# Altium PCB vme64x6U_ctrlc.PcbDoc (part 14 of 16) (continued)
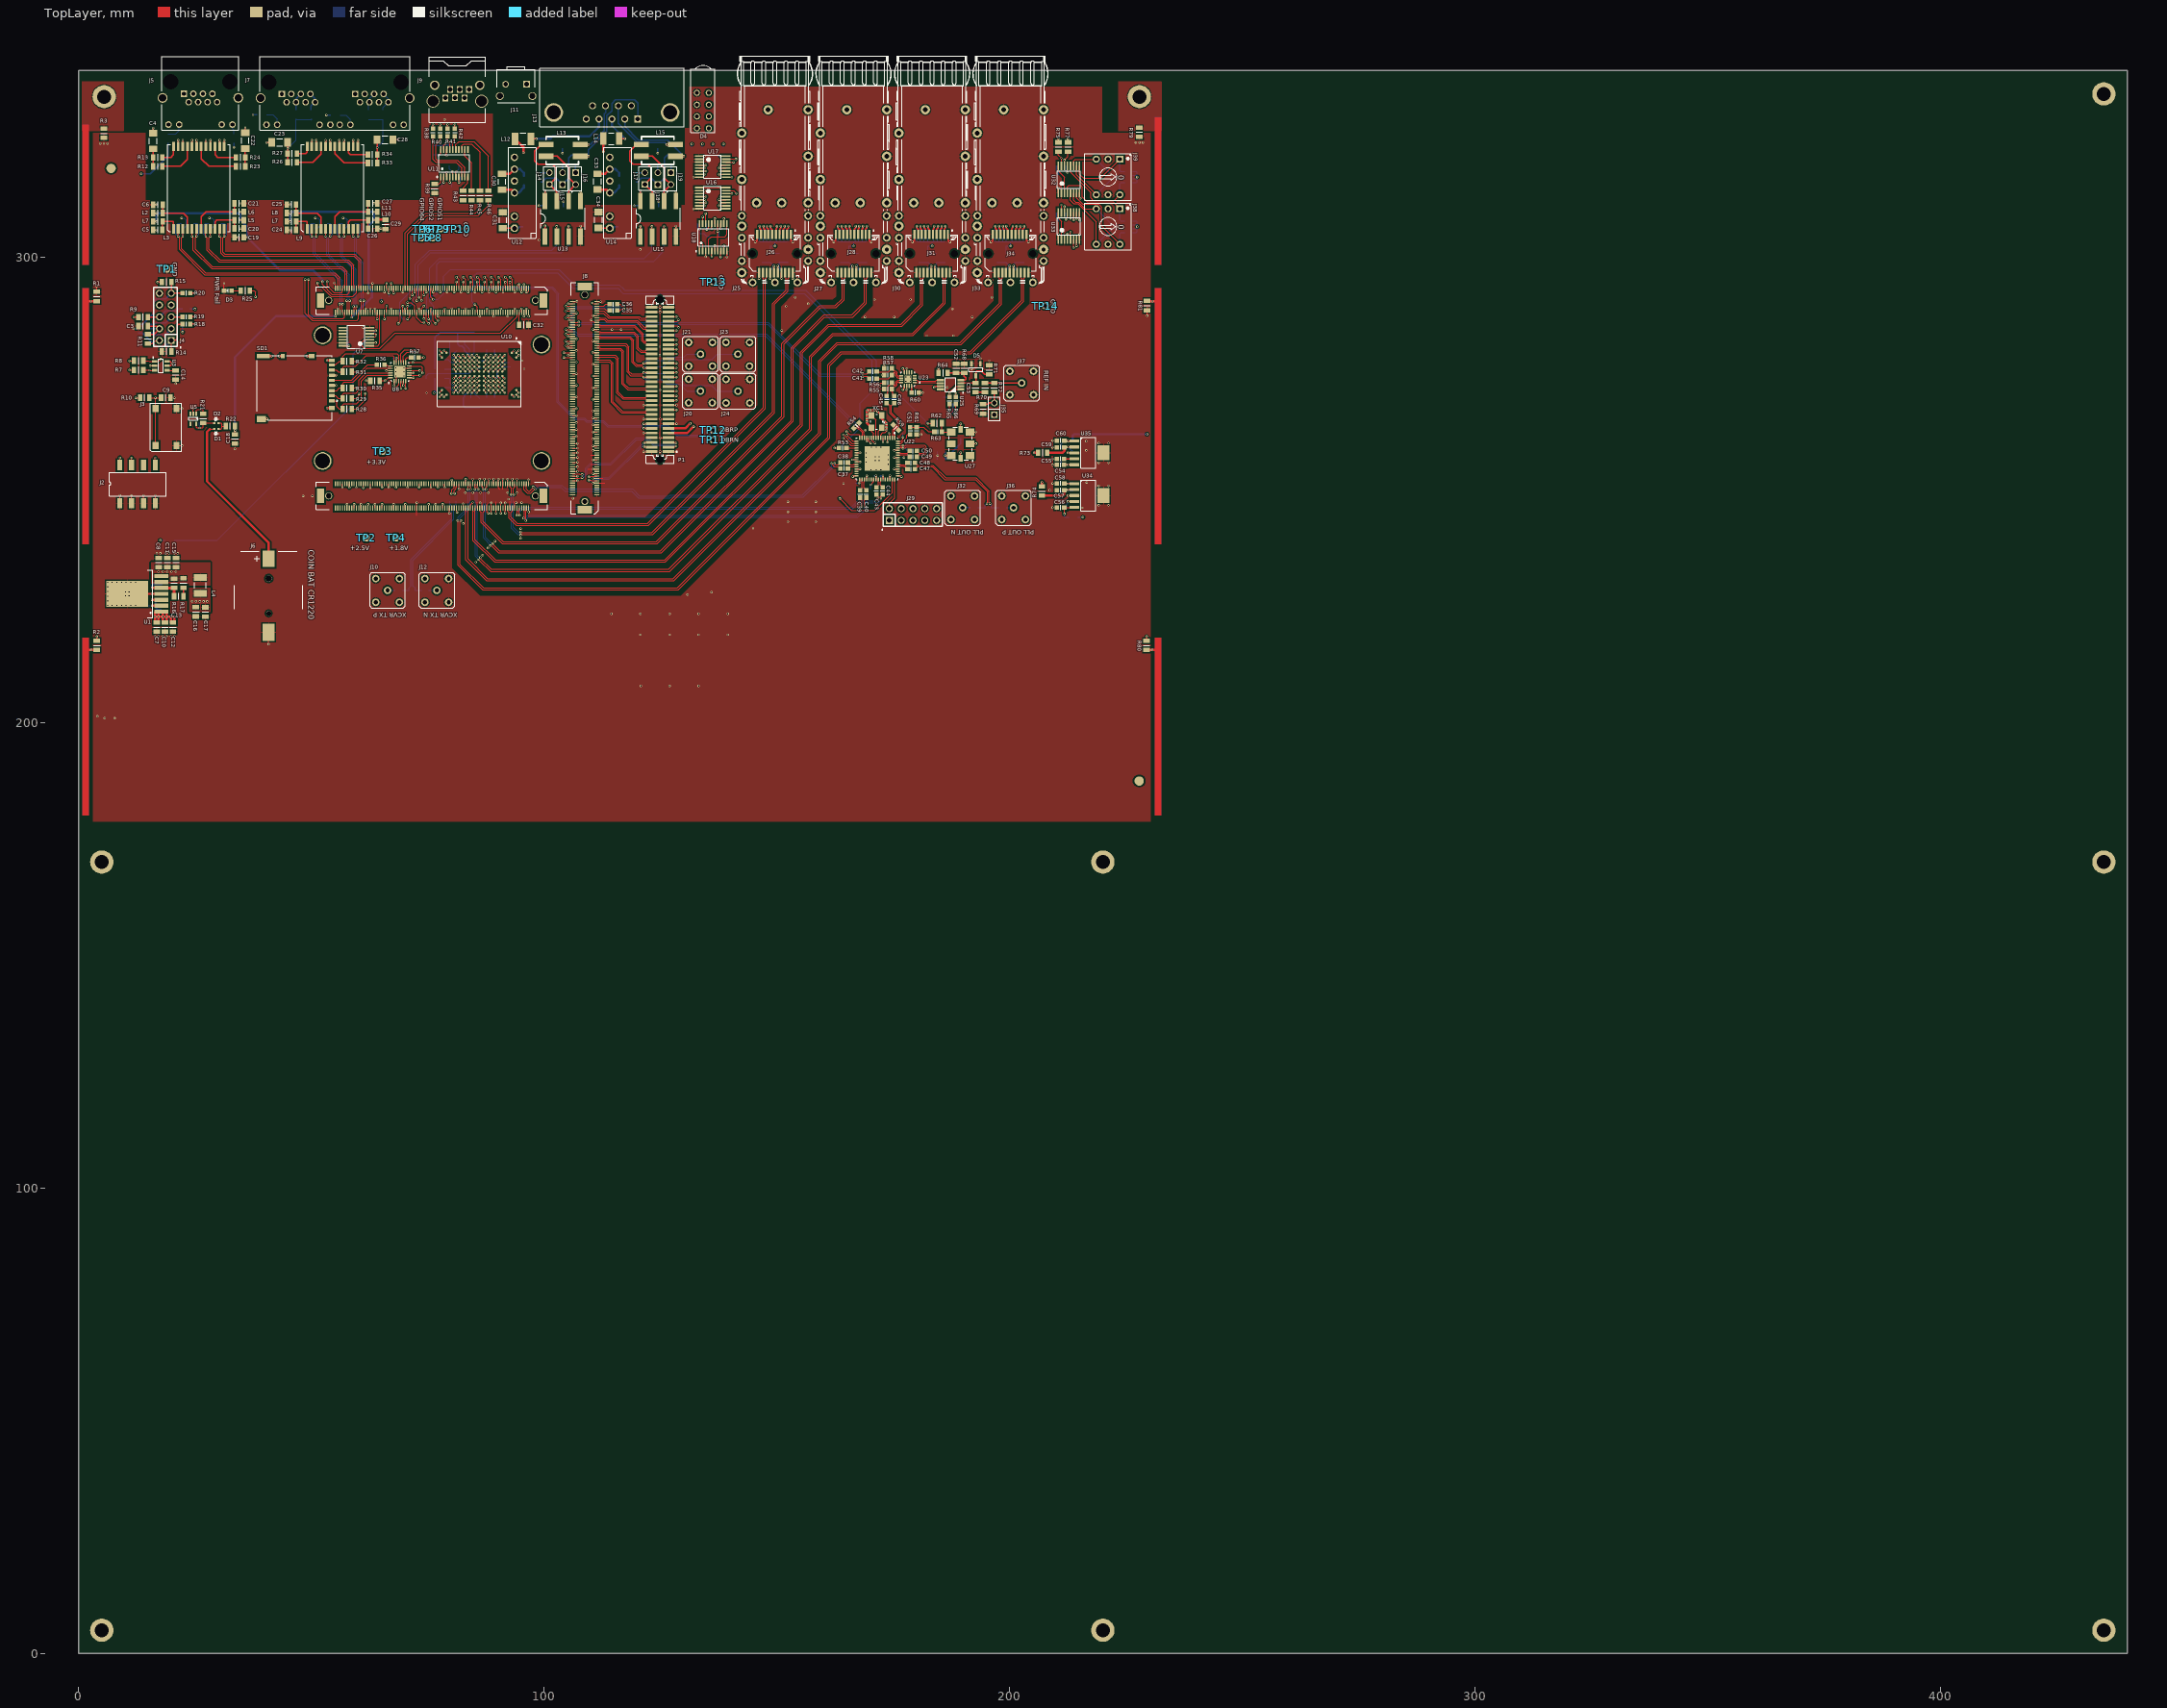
[diagram p0: TopLayer view]
## Nets (pads, with @x,y where several pads share a name; then routed paths per layer and width w, separated by ;. In a path a pad name is that pad's centre, name@x,y a point inside that pad or via, vN(x,y) a via of type N, cw(c..) or ccw(c..) an arc to the next point about the centre after c; other vN are vias at no path point) (continued)
  TopLayer w0.15: v1(70.675,290.175) 71.4,290.175 72.175,289.4 J8.A100@72.175,288.05
  MidLayer4 w0.15: v1(70.675,290.175) 71.35,290.175 74.825,293.65 74.825,302.175 73.625,303.375 TP5.1@73.625,304.075
GPIO63: J8.A92 TP8.1 | length 19.5
  TopLayer w0.15: v1(74.175,286.7) J8.A92@74.175,288.05
  MidLayer4 w0.15: v1(74.175,286.7) 75.18,287.705 75.18,289.055 75.675,289.55 75.675,302.625 76.05,303 TP8.1@76.05,304.075
GPIO64: J8.A94 TP6.1 | length 19.2
  TopLayer w0.15: J8.A94@73.675,288.05 73.675,288.925 v1(74.175,289.425)
  MidLayer4 w0.15: TP6.1@73.875,306 74.825,305.05 74.825,303.25 75.25,302.825 75.25,290.5 v1(74.175,289.425)
GTP_REF0.IO_N: C39.2 J8.B6 | length 78.6
  TopLayer w0.15: v1(95.59,243.875) 95.763,244.047 95.763,245.338 95.675,245.425 J8.B6@95.675,246.05
  TopLayer w0.25: C39.2@167.875,248.275 168.325,247.825 168.325,246.498 v1(168.203,246.375)
  BottomLayer w0.25: v1(95.59,243.875) 95.799,243.875 96.449,244.525 167.15,244.525 168.325,245.7 168.325,246.253 v1(168.203,246.375)
GTP_REF0.IO_P: C40.2 J8.B4 | length 79.5
  TopLayer w0.15: v1(96.06,243.35) 96.088,243.377 96.088,245.338 96.175,245.425 J8.B4@96.175,246.05
  TopLayer w0.25: v1(168.873,246.375) 168.75,246.498 168.75,247.825 C40.2@169.2,248.275
  BottomLayer w0.25: v1(96.06,243.35) 96.06,243.535 96.625,244.1 167.326,244.1 168.75,245.524 168.75,246.253 v1(168.873,246.375)
GTP_REF1.IO_N: C43.2 J8.B12 | length 82.6
  TopLayer w0.15: v1(94.09,244.475) 94.263,244.647 94.263,245.338 94.175,245.425 J8.B12@94.175,246.05
  TopLayer w0.25: C43.2@171.35,248.925 171.813,248.463 171.813,248.248 v1(171.69,248.125)
  BottomLayer w0.25: v1(94.09,244.475) 94.213,244.597 94.213,245.276 95.211,246.275 166,246.275 167.325,247.6 171.613,247.6 171.813,247.8 171.813,248.003 v1(171.69,248.125)
GTP_REF1.IO_P: C44.2 J8.B10 | length 82.6
  TopLayer w0.15: J8.B10@94.675,246.05 94.675,245.425 94.588,245.338 94.588,244.647 v1(94.76,244.475)
  TopLayer w0.25: v1(172.36,248.125) 172.238,248.248 172.238,248.463 C44.2@172.7,248.925
  BottomLayer w0.25: v1(94.76,244.475) 94.638,244.597 94.638,245.1 95.388,245.85 166.176,245.85 167.501,247.175 171.789,247.175 172.238,247.624 172.238,248.003 v1(172.36,248.125)
GTP_REF2.IO_N: C38.2 J8.B5 | length 74.7
  TopLayer w0.25: J8.B5@95.675,251.25 95.675,250.575 95.713,250.537 95.713,249.936 96.424,249.225 97.076,249.225 97.926,250.075 v1(98.1,250.075) ; v1(162.395,255.625) 162.645,255.375 163.2,255.375 C38.2@163.625,255.8
  BottomLayer w0.25: v1(98.1,250.075) 98.549,250.525 103.625,250.525 104.45,249.7 118.8,249.7 120.3,248.201 127.027,248.201 127.251,248.424 155.7,248.424 162.395,255.12 v1(162.395,255.625)
GTP_REF2.IO_P: C37.2 J8.B3 | length 74.2
  TopLayer w0.25: J8.B3@96.175,251.25 96.175,250.575 96.138,250.537 96.138,250.113 96.6,249.65 96.9,249.65 97.626,250.376 v1(97.626,250.549) ; v1(161.725,255.625) 161.725,255.524 162.299,254.95 163.2,254.95 C37.2@163.625,254.525
  BottomLayer w0.25: v1(97.626,250.549) 98.027,250.95 103.801,250.95 104.626,250.125 118.976,250.125 120.476,248.626 126.851,248.626 127.075,248.849 155.523,248.849 161.725,255.051 v1(161.725,255.625)
H_BUSY: 
H_CNV: 
H_MX0: 
H_MX1: 
H_MX2: 
H_RSV0_: 
H_RSV1_: 
H_RSV2_: 
H_RSV3_: 
H_RSV4_: 
H_RSV5_: 
H_RSV6_: 
H_RSV7_: 
H_SCLK: 
H_SDO: 
H_SW: 
HPS_PORn: J8.A132 R8.2 U3.1 U10.M5 | length 81.7
  TopLayer w0.15: R8.2@13.925,277.675 15.025,277.675 15.165,277.535 U3.1@16.335,277.535 17.16,277.535 v1(17.675,278.05) ; v1(64.175,286.675) J8.A132@64.175,288.05 ; v1(82.55,275.875) U10.M5@83.05,275.375
  MidLayer3 w0.15: v1(17.675,278.05) 29.724,278.05 32.574,280.9 56.2,280.9 56.9,281.6 62.675,281.6 63.5,282.425 64.075,282.425 64.5,282.85 64.5,284.525 64.175,284.85 v1(64.175,286.675)
  MidLayer4 w0.15: v1(64.175,286.675) 67.5,283.35 70.35,283.35 77.325,276.375 82.05,276.375 v1(82.55,275.875)
HPS_RSTn: C9.1 J3.1 J3.2 J8.A124 R10.2 R190.1 | length 88.7
  TopLayer w0.15: J8.A124@66.175,288.05 v1(66.175,289.425)
  TopLayer w0.25: R10.2@15.225,269.725 15.24,269.71 v1(16.535,269.71) ; J3.1@16.535,259.435 J3.2@16.535,267.385 v1(16.535,269.71) ; C9.1@17.735,269.735 16.56,269.735 v1(16.535,269.71)
  MidLayer3 w0.15: v1(16.535,269.71) 16.535,278.46 18.65,280.575 18.65,285.2 19.25,285.8 20.525,285.8 21.445,284.88 25.055,284.88 26.05,285.875 26.05,287.745 v1(25.01,288.785) 25.01,290.163 27.117,292.27 60.898,292.27 61.862,291.305 65.47,291.305 66.175,290.6 v1(66.175,289.425)
  BottomLayer w0.3: R190.1@23.96,288.785 v1(25.01,288.785)
I2C_SCL: J8.A111
I2C_SDA: J8.A113
IN0_N: C114.2 U22.64 | length 2.6
  TopLayer w0.15: U22.64@175.975,260.425 176.7,260.425 177.1,260.825 v1(177.1,261.25)
  BottomLayer w0.15: v1(177.1,261.25) C114.2@177.1,262.175
IN0_P: C51.2 U22.63 | length 3.7
  TopLayer w0.15: U22.63@175.975,259.925 176.675,259.925 177.875,261.125 177.875,261.625 178.075,261.825 C51.2@178.625,261.825
in1: 
IN1_N: C45.2 R59.1 U22.2 | length 9.4
  TopLayer w0.15: C45.2@173.725,268.55 174.225,268.05 174.225,266.375 175.875,264.725 175.875,263.885 175.433,263.442 ; U22.2@174.775,261.125 174.775,261.625 174.863,261.713 174.863,262.872 175.433,263.442 ; R59.1@174.984,263.891 175.433,263.442
IN1_P: C46.2 R59.2 U22.1 | length 9.4
  TopLayer w0.15: C46.2@175.075,268.55 174.55,268.025 174.55,266.51 176.2,264.86 176.2,263.75 175.65,263.2 ; U22.1@175.275,261.125 175.275,261.625 175.188,261.713 175.188,262.737 175.65,263.2 ; R59.2@176.116,262.759 175.675,263.2 175.65,263.2
in2: 
IN2_N: C36.2 R54.1 U22.15 | length 90.4
  TopLayer w0.15: v1(166.828,263.528) 167.072,263.528 168.363,262.238 168.363,261.713 168.275,261.625 U22.15@168.275,261.125
  TopLayer w0.25: C36.2@115.7,289.8 116.3,289.8 116.628,289.472 v1(117.125,289.472)
  BottomLayer w0.15: v1(166.828,263.528) v1@166.828,263.722
  BottomLayer w0.25: v1(117.125,289.472) 117.003,289.35 106.649,289.35 105.9,288.601 105.9,284.199 107.074,283.025 147.525,283.025 v1@166.828,263.722
IN2_P: C35.2 R54.2 U22.14 | length 89.6
  TopLayer w0.15: v1(167.302,264.002) 167.302,263.758 168.688,262.372 168.688,261.713 168.775,261.625 U22.14@168.775,261.125
  TopLayer w0.25: C35.2@115.7,288.475 116.3,288.475 116.628,288.802 v1(117.125,288.802)
  BottomLayer w0.15: v1@167.149,264.002 v1(167.302,264.002)
  BottomLayer w0.25: v1(117.125,288.802) 117.003,288.925 106.825,288.925 106.325,288.425 106.325,284.375 107.25,283.45 147.701,283.45 v1@167.149,264.002
in3: 
in4: 
in5: 
in6: 
in7: 
in8: 
in9: 
in10: 
in11: 
in12: 
in13: 
in14: 
in15: 
in16: 
in17: 
in18: 
in19: 
in20: 
inOut1: 
inOut2: 
inOut3: 
inOut4: 
inOut5: 
inOut6: 
inOut7: 
inOut8: 
inOut9: 
inOut10: 
inOut11: 
inOut12: 
inOut13: 
inOut14: 
inOut15: 
inOut16: 
inOut17: 
inOut18: 
inOut19: 
inOut20: 
intG: 
IO_AL1: J8.A15 U22.12 | length 101
  TopLayer w0.15: v1(92.675,295.625) 93.175,295.125 J8.A15@93.175,293.25 ; U22.12@169.775,261.125 169.775,260.425 v1(170.175,260.025)
  MidLayer3 w0.15: v1@170.175,259.975 v1(170.175,260.025)
  MidLayer4 w0.15: v1(92.675,295.625) 93.105,296.055 93.3,296.055 125.155,296.055 130.13,291.08 146.729,291.08 168.325,269.484 168.325,264.4 170.175,262.55 v1(170.175,260.025)
IO_AL2: J8.A17 U22.18 | length 97.2
  TopLayer w0.15: J8.A17@92.675,293.25 v1(92.675,294.575) v1@92.675,294.625 ; v1(164.25,261.8) 166.125,259.925 U22.18@167.075,259.925
  MidLayer4 w0.15: v1(92.675,294.575) 93.495,294.575 94.335,295.415 124.89,295.415 129.865,290.44 146.464,290.44 164.25,272.654 v1(164.25,261.8)
IO_AL3: J8.A19 U22.16 | length 99.6
  TopLayer w0.15: v1(91.675,295.625) 92.175,295.125 J8.A19@92.175,293.25 ; v1(165,262.45) 165.625,261.825 167.55,261.825 167.775,261.6 U22.16@167.775,261.125
  MidLayer4 w0.15: v1(91.675,295.625) 92.175,295.125 93.225,295.125 93.835,295.735 125.023,295.735 129.998,290.76 146.596,290.76 164.57,272.786 164.57,262.88 v1(165,262.45)
IO_AL4: J8.A21 U22.19 | length 98.8
  TopLayer w0.15: J8.A21@91.675,293.25 v1(91.675,294.575) v1@91.675,294.625 ; v1(164.225,261.075) 165.875,259.425 U22.19@167.075,259.425
  MidLayer4 w0.15: v1(91.675,294.575) 92.17,294.08 93.452,294.08 94.467,295.095 124.758,295.095 129.733,290.12 146.331,290.12 163.9,272.551 163.9,262.325 163.755,262.18 163.755,261.545 v1(164.225,261.075)
IO_AL5: J8.A25 R119.2 U27.7 | length 123.1
  TopLayer w0.15: v1(90.175,295.625) 90.675,295.125 J8.A25@90.675,293.25
  TopLayer w0.25: U27.7@189.45,256.75 v1(189.45,257.925)
  MidLayer4 w0.15: v1@90.15,295.65 90.901,296.401 125.299,296.401 130.3,291.4 146.925,291.4 169.665,268.66 176.215,268.66 179.225,265.65 185.975,265.65 188.375,263.25 188.375,259 v1(189.45,257.925)
  BottomLayer w0.25: v1(189.45,257.925) 189.45,256.75 R119.2@189.525,256.675
IO_AL6: J8.A27 U22.47 | length 126.2
  TopLayer w0.15: J8.A27@90.175,293.25 v1(90.175,294.625) ; v1(163.5,248.075) 166.05,245.525 170.95,245.525 174.775,249.35 U22.47@174.775,252.225
  MidLayer4 w0.15: v1(90.175,294.625) 90.625,294.625 91.525,293.725 93.55,293.725 94.6,294.775 124.625,294.775 129.6,289.8 146.199,289.8 163.58,272.419 163.58,262.68 163.325,262.425 163.325,261.35 163.5,261.175 v1(163.5,248.075)
IO_AL7: J8.A31 R120.2 U27.8 | length 119.9
  TopLayer w0.15: v1(88.675,295.625) 89.175,295.125 J8.A31@89.175,293.25
  TopLayer w0.25: U27.8@189.45,262.95 v1(189.45,264.125)
  MidLayer4 w0.15: v1(88.675,295.625) 90.091,297.041 125.564,297.041 130.565,292.04 147.19,292.04 169.93,269.3 176.547,269.3 179.272,266.575 187,266.575 v1(189.45,264.125)
  BottomLayer w0.25: R120.2@189.425,263.025 189.425,264.1 v1(189.45,264.125)
IO_AL8: J8.A33 U27.2 | length 123.1
  TopLayer w0.15: J8.A33@88.675,293.25 v1(88.675,294.625)
  TopLayer w0.25: U27.2@191.45,259.85 v1(192.75,259.85)
  MidLayer4 w0.15: v1(88.675,294.625) 89.5,295.45 89.5,295.825 90.396,296.721 90.55,296.721 125.431,296.721 130.433,291.72 147.058,291.72 169.798,268.98 176.37,268.98 179.25,266.1 186.5,266.1 v1(192.75,259.85)
IO_AL9: J8.A37 R66.1 | length 118.5
  TopLayer w0.15: v1(87.175,295.625) 87.675,295.125 J8.A37@87.675,293.25 ; v1(188.45,267.175) R66.1@188.45,268.325
  MidLayer4 w0.15: v1(87.175,295.625) 89.261,297.711 125.841,297.711 130.843,292.71 147.468,292.71 170.208,269.97 176.783,269.97 179.003,267.75 187.875,267.75 v1(188.45,267.175)
IO_AL10: J8.A39 R65.1 | length 116.2
  TopLayer w0.15: J8.A39@87.175,293.25 v1(87.175,294.625) ; v1(187.075,267.175) R65.1@187.075,268.325
  MidLayer4 w0.15: v1(87.175,294.625) 87.775,295.225 87.775,295.5 89.666,297.391 125.709,297.391 130.71,292.39 147.335,292.39 170.075,269.65 176.65,269.65 179.125,267.175 v1(187.075,267.175)
IO_AL11: J8.A49 R77.1 U16.14 U17.14 U18.18 U32.14 U33.14 | length 177.3
  TopLayer w0.15: v1(84.175,295.625) 84.675,295.125 J8.A49@84.675,293.25 ; U18.18@134.7,307.125 v1@134.7,309.4 ; U16.14@139.095,313.575 v1(140.35,313.575) ; U17.14@139.095,320.35 v1(140.7,320.35) ; U33.14@211.75,309.52 v1(211.75,310.79) ; U32.14@211.75,319.545 v1(211.75,320.815) 212.525,321.59 R77.1@212.525,322.6
  MidLayer3 w0.15: v1(84.175,295.625) 84.175,295.9 84.82,296.545 86.2,296.545 130.135,296.545 132.425,298.835 132.425,308.125 133.6,309.3 v1(134.675,309.3) 135.175,309.8 138.325,309.8 140.35,311.825 v1(140.35,313.575) 140.35,314.55 139.525,315.375 139.525,318.278 140.7,319.453 v1(140.7,320.35) 140.7,323.025 142.02,324.345 143.867,324.345 210.433,324.345 211.42,323.358 211.42,322.105 211.75,321.775 v1(211.75,320.815) v1(211.75,310.79)
IO_AL12: J8.A51 R75.1 U16.15 U17.15 U18.19 U32.15 U33.15 | length 177
  TopLayer w0.15: J8.A51@84.175,293.25 v1(84.175,294.625) ; U18.19@134.05,307.125 v1(134.05,308.55) ; U16.15@139.095,314.225 140.675,314.225 v1(141.275,313.625) ; U17.15@139.095,321 v1(141.2,321) ; R75.1@210.475,322.6 210.475,321.815 v1(211.1,321.19) U32.15@211.1,319.545 ; U33.15@211.1,309.52 v1(211.1,311.165)
  MidLayer3 w0.15: v1(84.175,294.625) 84.725,295.175 84.725,295.65 85.295,296.22 86.2,296.22 130.27,296.22 132.75,298.7 132.75,307.9 133.38,308.53 134.7,308.53 135.65,309.48 138.58,309.48 141.275,312.175 v1(141.275,313.625) 141.275,314.175 139.845,315.605 139.845,318.095 141.2,319.45 v1(141.2,321) 141.2,322.885 142.34,324.025 210.3,324.025 211.1,323.225 v1(211.1,321.19) v1(211.1,311.165)
IO_AL13: J8.A55 R139.1 U17.13 | length 82.2
  TopLayer w0.15: v1(82.675,295.625) 83.175,295.125 J8.A55@83.175,293.25 ; v1(137.9,319.7) U17.13@139.095,319.7
  MidLayer3 w0.15: v1(82.675,295.625) 82.675,295.875 83.995,297.195 84.925,297.195 129.866,297.195 131.775,299.104 131.775,308.65 133.375,310.25 133.375,312.6 134.375,313.6 137.525,313.6 139.175,315.25 139.175,319.15 138.625,319.7 v1(137.9,319.7)
  BottomLayer w0.15: v1(137.9,319.7) R139.1@139.15,319.7
IO_AL14: J8.A57 R140.1 U16.13 | length 72.4
  TopLayer w0.15: J8.A57@82.675,293.25 v1(82.675,294.625) ; v1(137.9,312.925) U16.13@139.095,312.925
  MidLayer3 w0.15: v1(82.675,294.625) 83.225,295.175 83.225,295.675 84.42,296.87 86.2,296.87 130.001,296.87 132.1,298.969 132.1,308.35 133.675,309.925 134.2,309.925 137.2,312.925 v1(137.9,312.925)
  BottomLayer w0.15: v1(137.9,312.925) R140.1@139.1,312.925
IO_AL15: J8.A61 R145.1 | length 81.2
  TopLayer w0.15: v1(81.175,295.625) 81.675,295.125 J8.A61@81.675,293.25
  MidLayer3 w0.15: v1(81.175,295.625) 81.175,296.7 82.63,298.155 129.469,298.155 130.815,299.502 130.815,313.545 133.525,316.255 133.525,323.75 v1(134,324.225)
  BottomLayer w0.15: R145.1@134,323.5 v1(134,324.225)
IO_AL16: J8.A63 R143.1 | length 81.8
  TopLayer w0.15: J8.A63@81.175,293.25 v1(81.175,294.625)
  MidLayer3 w0.15: v1(81.175,294.625) 81.75,295.2 81.75,296.5 83.085,297.835 86.2,297.835 129.601,297.835 131.135,299.369 131.135,313.413 136.205,318.483 136.205,324.18 v1(136.25,324.225)
  BottomLayer w0.15: R143.1@136.25,323.5 v1(136.25,324.225)
IO_AL17: J8.A67
IO_AL18: J8.A69
IO_AL19: J8.A73
IO_AL20: J8.A75
IO_AL21: J8.A79
IO_AL22: J8.A81
IO_AL25: J8.A85 R62.2 | length 132.2
  TopLayer w0.15: J8.A85@75.675,293.25 75.675,291.375 v1(76.175,290.875) ; v1(182.45,264.25) R62.2@183.425,264.25
  BottomLayer w0.25: v1(76.175,290.875) 77.175,290.875 78.375,292.075 78.375,295.825 79.857,297.307 80.6,297.307 103.193,297.307 106.543,293.957 116.168,293.957 117.025,293.1 117.25,292.875 156.2,292.875 171.375,277.7 171.375,271.225 172.975,269.625 177.075,269.625 v1(182.45,264.25)
IO_AR1: J8.A16
IO_AR2: J8.A18
IO_AR3: J8.A22
IO_AR4: J8.A24
IO_AR5: J8.A28
IO_AR6: J8.A30
IO_AR7: J8.A34
IO_AR8: J8.A36
IO_AR9: J8.A40
IO_AR10: J8.A42
IO_AR11: J8.A46 R53.2 | length 125.8
  TopLayer w0.15: v1(85.175,289.75) 85.675,289.25 J8.A46@85.675,288.05 ; v1(162.375,258.925) R53.2@163.325,258.925
  BottomLayer w0.25: v1(85.175,289.75) 84.425,290.5 84.425,293.1 84.975,293.65 84.975,295.9 85.675,296.6 102.9,296.6 106.25,293.25 115.875,293.25 116.975,292.15 155.925,292.15 170.4,277.675 170.4,271.1 167.9,268.6 167.9,263.3 163.525,258.925 v1(162.375,258.925)
IO_AR12: J8.A48
IO_AR13: J8.A52
IO_AR14: J8.A54
IO_AR15: J8.A58
IO_AR16: J8.A60
IO_AR17: J8.A64
IO_AR18: J8.A66
IO_AR19: J8.A70
IO_AR20: J8.A72
IO_AR21: J8.A76
IO_AR22: J8.A78
IO_BL1: J8.B7
IO_BL2: J8.B9
IO_BL3: J8.B57
IO_BL4: J8.B59
IO_BL5: J8.B75
IO_BL6: J8.B77
IO_BL7: J8.B81
IO_BL8: J8.B83
IO_BL9: J8.B87
IO_BL10: J8.B89
IO_BL11: J8.B91
IO_BL12: J8.B93
IO_BL13: J8.B97
IO_BL14: J8.B99
IO_BL15: J8.B101
IO_BL16: J8.B103
IO_BL17: J8.B107
IO_BL18: J8.B109
IO_BL19: J8.B111
IO_BL20: J8.B113
IO_BL21: J8.B117
IO_BL22: J8.B119
IO_BL23: J8.B123
IO_BL24: J8.B125
IO_BL25: J8.B129
IO_BL26: J8.B131
IO_BL27: J8.B133
IO_BL28: J8.B135
IO_BL29: J8.B139
IO_BL30: J8.B141
IO_BL31: J8.B145
IO_BL32: J8.B147
IO_BL33: J8.B151
IO_BL34: J8.B153
IO_BL35: J8.B157
IO_BL36: J8.B159
IO_BL37: J8.B163
IO_BL38: J8.B165
IO_BR1: J8.B72
IO_BR2: J8.B74
IO_BR3: J8.B78
IO_BR4: J8.B80
IO_BR5: J8.B84
IO_BR6: J8.B86
IO_BR7: J8.B90
IO_BR8: J8.B92
IO_BR9: J8.B94
IO_BR10: J8.B96
IO_BR11: J8.B100
IO_BR12: J8.B102
IO_BR13: J8.B104
IO_BR14: J8.B106
IO_BR15: J8.B110
IO_BR16: J8.B112
IO_BR17: J8.B114
IO_BR18: J8.B116
IO_BR19: J8.B120
IO_BR20: J8.B122
IO_BR21: J8.B124
IO_BR22: J8.B126
IO_BR23: J8.B130
IO_BR24: J8.B132
IO_BR25: J8.B136
IO_BR26: J8.B138
IO_BR27: J8.B142
IO_BR28: J8.B144
IO_BR29: J8.B148
IO_BR30: J8.B150
IO_BR31: J8.B154
IO_BR32: J8.B156
IO_BR33: J8.B160
IO_BR34: J8.B162
IO_BR35: J8.B164
IO_BR36: J8.B166
IO_CL1: J8.C63
IO_CL2: J8.C65
IO_CL3: J8.C69
IO_CL4: J8.C71
IO_CL5: J8.C75
IO_CL6: J8.C77
IO_CL7: J8.C79
IO_CL8: J8.C81
IO_CL9: J8.C85
IO_CL10: J8.C87
IO_CL11: J8.C89
IO_CL12: J8.C91
IO_CL13: J8.C95
IO_CL14: J8.C97
IO_CL15: J8.C99
IO_CL16: J8.C101
IO_CL17: J8.C105
IO_CL18: J8.C107
IO_CL19: J8.C109
IO_CL20: J8.C111
IO_CL21: J8.C115 P1.18 | length 21.4
  TopLayer w0.15: J8.C115@111.325,277.4 111.95,277.4 112.04,277.49 113.96,277.49 114.425,277.025 114.425,268.73 116.68,266.475 121.8,266.475 122.125,266.15 P1.18@123.1,266.15
IO_CL22: J8.C117 P1.20 | length 21.4
  TopLayer w0.15: J8.C117@111.325,277.9 111.95,277.9 112.01,277.84 114.105,277.84 114.775,277.17 114.775,268.875 116.825,266.825 121.8,266.825 122.125,267.15 P1.20@123.1,267.15
IO_CL23: J8.C119 P1.24 | length 19.9
  TopLayer w0.15: J8.C119@111.325,278.4 111.95,278.4 112.04,278.49 115.11,278.49 115.6,278 115.6,270.78 116.905,269.475 121.575,269.475 121.8,269.475 122.125,269.15 P1.24@123.1,269.15
IO_CL24: J8.C121 P1.26 | length 19.9
  TopLayer w0.15: J8.C121@111.325,278.9 111.95,278.9 112.01,278.84 115.255,278.84 115.95,278.145 115.95,270.925 117.05,269.825 121.575,269.825 121.8,269.825 122.125,270.15 P1.26@123.1,270.15
IO_CL25: J8.C125 P1.28 | length 19.5
  TopLayer w0.15: J8.C125@111.325,279.9 111.95,279.9 112.04,279.99 116.285,279.99 116.75,279.525 116.75,272.7 117.975,271.475 121.575,271.475 121.8,271.475 122.125,271.15 P1.28@123.1,271.15
IO_CL26: J8.C127 P1.30 | length 19.5
  TopLayer w0.15: J8.C127@111.325,280.4 111.95,280.4 112.01,280.34 116.43,280.34 117.1,279.67 117.1,272.845 118.12,271.825 121.575,271.825 121.8,271.825 122.125,272.15 P1.30@123.1,272.15
IO_CL27: J8.C129 P1.34 R149.2 | length 19.2
  TopLayer w0.15: J8.C129@111.325,280.9 111.95,280.9 112.04,280.99 117.41,280.99 117.85,280.55 117.85,275.275 118.65,274.475 121.1,274.475 v1(121.425,274.15) P1.34@123.1,274.15
  BottomLayer w0.15: v1(121.425,274.15) 121.925,273.65 R149.2@122.725,273.65
IO_CL28: J8.C131 P1.36 R150.2 | length 19.1
  TopLayer w0.15: J8.C131@111.325,281.4 111.95,281.4 112.01,281.34 117.555,281.34 118.2,280.695 118.2,275.42 118.795,274.825 121.1,274.825 v1(121.425,275.15) P1.36@123.1,275.15
  BottomLayer w0.15: v1(121.425,275.15) 121.575,275 R150.2@122.725,275
IO_CL29: J8.C135 P1.38 R151.2 | length 18.5
  TopLayer w0.15: J8.C135@111.325,282.4 111.95,282.4 112.04,282.49 118.36,282.49 118.9,281.95 118.9,277.325 119.75,276.475 121.1,276.475 v1(121.425,276.15) P1.38@123.1,276.15
  BottomLayer w0.15: v1(121.425,276.15) 121.65,276.375 R151.2@122.725,276.375
IO_CL30: J8.C137 P1.40 R152.2 | length 18.7
  TopLayer w0.15: J8.C137@111.325,282.9 111.95,282.9 112.01,282.84 118.505,282.84 119.25,282.095 119.25,277.47 119.895,276.825 121.1,276.825 v1(121.425,277.15) P1.40@123.1,277.15
  BottomLayer w0.15: v1(121.425,277.15) 122.025,277.75 R152.2@122.725,277.75
IO_CL31: J8.C139 P1.44 | length 15.1
  TopLayer w0.15: J8.C139@111.325,283.4 111.95,283.4 112.04,283.49 119.21,283.49 119.95,282.75 119.95,280.275 120.75,279.475 121.8,279.475 122.125,279.15 P1.44@123.1,279.15
IO_CL32: J8.C141 P1.46 | length 15
  TopLayer w0.15: J8.C141@111.325,283.9 111.95,283.9 112.01,283.84 119.355,283.84 120.3,282.895 120.3,280.45 120.925,279.825 121.8,279.825 122.125,280.15 P1.46@123.1,280.15
IO_CL33: J8.C145 P1.48 | length 14.2
  TopLayer w0.15: J8.C145@111.325,284.9 111.95,284.9 112.04,284.99 119.285,284.99 120.975,283.3 120.975,281.972 121.472,281.475 121.8,281.475 122.125,281.15 P1.48@123.1,281.15
IO_CL34: J8.C147 P1.50 | length 14.2
  TopLayer w0.15: J8.C147@111.325,285.4 111.95,285.4 112.01,285.34 119.43,285.34 121.325,283.445 121.325,282.075 121.575,281.825 121.8,281.825 122.125,282.15 P1.50@123.1,282.15
IO_CL35: J8.C151 P1.54 | length 12.8
  TopLayer w0.15: J8.C151@111.325,286.4 111.95,286.4 112.04,286.49 112.96,286.49 113.45,286 119.8,286 121.325,284.475 121.8,284.475 122.125,284.15 P1.54@123.1,284.15
IO_CL36: J8.C153 P1.56 | length 12.8
  TopLayer w0.15: J8.C153@111.325,286.9 111.95,286.9 112.01,286.84 113.105,286.84 113.595,286.35 120.05,286.35 121.575,284.825 121.8,284.825 122.125,285.15 P1.56@123.1,285.15
IO_CL37: J8.C157 P1.58 | length 12.5
  TopLayer w0.15: J8.C157@111.325,287.9 112.725,287.9 113.8,286.825 120.225,286.825 120.575,286.475 121.8,286.475 122.125,286.15 P1.58@123.1,286.15
IO_CL38: J8.C159 P1.60 | length 12.6
  TopLayer w0.15: J8.C159@111.325,288.4 112.775,288.4 114.025,287.15 120.45,287.15 120.775,286.825 121.8,286.825 122.125,287.15 P1.60@123.1,287.15
IO_CL39: C35.1 J8.C161 | length 3
  TopLayer w0.15: J8.C161@111.325,288.9 112.925,288.9 113.35,288.475 C35.1@114.1,288.475
IO_CL40: C36.1 J8.C163 | length 2.9
  TopLayer w0.15: J8.C163@111.325,289.4 112.85,289.4 113.25,289.8 C36.1@114.1,289.8
IO_CL_FX1: J8.C3
IO_CL_FX2: J8.C5
IO_CL_FX3: J8.C7
IO_CL_FX4: J8.C9
IO_CL_FX5: J8.C21
IO_CL_FX6: J8.C25
IO_CL_FX7: J8.C29
IO_CL_FX8: J8.C33
IO_CL_FX9: J8.C37
IO_CL_FX10: J8.C41
IO_CL_FX11: J8.C45
IO_CL_FX12: J8.C47
IO_CL_FX13: J8.C51
IO_CL_FX14: J8.C53
IO_CL_FX15: J8.C57
IO_CL_FX16: J8.C59
IO_CLK4N_AL26: J8.A87
IO_CR1: J8.C66
IO_CR2: J8.C68
IO_CR3: J8.C72
IO_CR4: J8.C74
IO_CR5: J8.C78
IO_CR6: J8.C80
IO_CR7: J8.C82
IO_CR8: J8.C84
IO_CR9: J8.C88
IO_CR10: J8.C90
IO_CR11: J8.C92
IO_CR12: J8.C94
IO_CR13: J8.C98
IO_CR14: J8.C100
IO_CR15: J8.C102
IO_CR16: J8.C104
IO_CR17: J8.C108
IO_CR18: J8.C110
IO_CR19: J8.C112
IO_CR20: J8.C114
IO_CR21: J8.C118 P1.17
IO_CR22: J8.C120 P1.19 | length 32.7
  TopLayer w0.15: v1(104.2,278.4) J8.C120@106.125,278.4 ; P1.19@126.7,267.15 v1(128.375,267.15)
  MidLayer4 w0.15: v1@104.2,278.395 106.58,278.395 106.7,278.275 115.345,278.275 126.78,266.84 128.065,266.84 v1(128.375,267.15)
IO_CR23: J8.C122 P1.23 | length 29.9
  TopLayer w0.15: v1(105.175,278.9) J8.C122@106.125,278.9 ; P1.23@126.7,269.15 v1(128.375,269.15)
  MidLayer4 w0.15: v1(105.175,278.9) 106.575,278.9 106.85,278.625 115.525,278.625 124.66,269.49 128.035,269.49 v1(128.375,269.15)
IO_CR24: J8.C124 P1.25 | length 31.9
  TopLayer w0.15: v1(104.2,279.4) J8.C124@106.125,279.4 ; P1.25@126.7,270.15 v1(128.375,270.15)
  MidLayer4 w0.15: v1(104.2,279.4) 106.775,279.4 107.2,278.975 115.67,278.975 124.805,269.84 128.065,269.84 v1(128.375,270.15)
IO_CR25: J8.C128 P1.27 | length 29.7
  TopLayer w0.15: v1(105.175,280.4) J8.C128@106.125,280.4 ; P1.27@126.7,271.15 v1(128.375,271.15)
  MidLayer4 w0.15: v1(105.175,280.4) 107.35,280.4 107.625,280.125 115.05,280.125 120.525,274.65 122.475,274.65 125.635,271.49 128.035,271.49 v1(128.375,271.15)
IO_CR26: J8.C130 P1.29 | length 30.7
  TopLayer w0.15: v1(104.7,280.9) J8.C130@106.125,280.9 ; P1.29@126.7,272.15 v1(128.375,272.15)
  MidLayer4 w0.15: v1(104.7,280.9) 107.45,280.9 107.904,280.446 115.183,280.446 119.979,275.65 121.97,275.65 125.78,271.84 128.065,271.84 v1(128.375,272.15)
IO_CR27: J8.C132 P1.33 | length 28.8
  TopLayer w0.15: v1(105.175,281.4) J8.C132@106.125,281.4 ; P1.33@126.7,274.15 v1(128.375,274.15)
  MidLayer4 w0.15: v1(105.175,281.4) 107.575,281.4 108,280.975 118.375,280.975 124.86,274.49 128.035,274.49 v1(128.375,274.15)
IO_CR28: J8.C134 P1.35 | length 29.8
  TopLayer w0.15: v1(104.7,281.9) J8.C134@106.125,281.9 ; P1.35@126.7,275.15 v1(128.375,275.15)
  MidLayer4 w0.15: v1(104.7,281.9) 107.775,281.9 108.35,281.325 118.52,281.325 125.005,274.84 128.065,274.84 v1(128.375,275.15)
IO_CR29: J8.C138 P1.37 | length 28.6
  TopLayer w0.15: v1(105.175,282.9) J8.C138@106.125,282.9 ; P1.37@126.7,276.15 v1(128.375,276.15)
  MidLayer4 w0.15: v1(105.175,282.9) 107.325,282.9 107.775,282.45 119.025,282.45 124.985,276.49 128.035,276.49 v1(128.375,276.15)
IO_CR30: J8.C140 P1.39 | length 29.6
  TopLayer w0.15: v1(104.7,283.4) J8.C140@106.125,283.4 ; P1.39@126.7,277.15 v1(128.375,277.15)
  MidLayer4 w0.15: v1(104.7,283.4) 107.3,283.4 107.9,282.8 119.17,282.8 125.13,276.84 128.065,276.84 v1(128.375,277.15)
IO_CR31: J8.C142 P1.43 | length 27.8
  TopLayer w0.15: v1(105.175,283.9) J8.C142@106.125,283.9 ; P1.43@126.7,279.15 v1(128.375,279.15)
  MidLayer4 w0.15: v1(105.175,283.9) 107.625,283.9 108.075,283.45 120.575,283.45 124.535,279.49 128.035,279.49 v1(128.375,279.15)
IO_CR32: J8.C144 P1.45 | length 28.8
  TopLayer w0.15: v1(104.7,284.4) J8.C144@106.125,284.4 ; P1.45@126.7,280.15 v1(128.375,280.15)
  MidLayer4 w0.15: v1(104.7,284.4) 107.625,284.4 108.225,283.8 120.72,283.8 124.68,279.84 128.065,279.84 v1(128.375,280.15)
IO_CR33: C41.2 J8.C148 | length 68.7
  TopLayer w0.15: J8.C148@106.125,285.4 107.378,285.4 v1(107.45,285.327)
  TopLayer w0.25: v1(168.425,274.265) 168.548,274.388 169.313,274.388 C41.2@169.825,273.875
  BottomLayer w0.25: v1(107.45,285.327) 107.573,285.45 108.05,285.45 148.011,285.45 159.074,274.388 168.303,274.388 v1(168.425,274.265)
IO_CR34: C42.2 J8.C150 | length 68.7
  TopLayer w0.15: J8.C150@106.125,285.9 107.353,285.9 v1(107.45,285.997)
  TopLayer w0.25: v1(168.425,274.935) 168.548,274.813 169.313,274.813 C42.2@169.825,275.325
  BottomLayer w0.25: v1(107.45,285.997) 107.573,285.875 108.05,285.875 148.188,285.875 159.25,274.813 168.303,274.813 v1(168.425,274.935)
IO_CR35: J8.C154 P1.47 | length 29.2
  TopLayer w0.15: v1(104.7,286.9) J8.C154@106.125,286.9 ; P1.47@126.7,281.15 v1(128.375,281.15)
  MidLayer4 w0.15: v1(104.7,286.9) 108.025,286.9 108.175,286.75 109.725,285.2 121.25,285.2 124.96,281.49 128.035,281.49 v1(128.375,281.15)
IO_CR36: J8.C156 P1.49 | length 28.3
  TopLayer w0.15: v1(105.175,287.4) J8.C156@106.125,287.4 ; P1.49@126.7,282.15 v1(128.375,282.15)
  MidLayer4 w0.15: v1(105.175,287.4) 108.041,287.4 108.433,287.008 ; 108.423,286.997 109.87,285.55 121.395,285.55 125.105,281.84 128.065,281.84 v1(128.375,282.15)
IO_CR37: J8.C160 P1.53 | length 28.5
  TopLayer w0.15: v1(104.7,288.4) J8.C160@106.125,288.4 ; P1.53@126.7,284.15 v1(128.375,284.15)
  MidLayer4 w0.15: v1(104.7,288.4) 107.65,288.4 107.825,288.225 112.03,288.225 113.83,286.425 122.8,286.425 124.885,284.34 127.585,284.34 127.775,284.15 v1(128.375,284.15)
IO_CR38: J8.C162 P1.55 | length 28.8
  TopLayer w0.15: v1(105.175,288.9) J8.C162@106.125,288.9 ; P1.55@126.7,285.15 128.575,285.15 v1(128.875,284.85)
  MidLayer4 w0.15: v1(105.175,288.9) 107.75,288.9 108.075,288.575 112.175,288.575 113.975,286.775 122.945,286.775 125.03,284.69 127.615,284.69 127.775,284.85 v1(128.875,284.85)
IO_CR39: J8.C164 P1.57 | length 29.1
  TopLayer w0.15: v1(104.7,289.4) J8.C164@106.125,289.4 ; P1.57@126.7,286.15 128.525,286.15 v1(128.825,286.45)
  MidLayer4 w0.15: v1(104.7,289.4) 107.825,289.4 108.075,289.15 112.55,289.15 114.05,287.65 123.8,287.65 124.84,286.61 127.615,286.61 127.775,286.45 v1@128.875,286.45
IO_CR40: J8.C166 P1.59 | length 27.1
  TopLayer w0.15: v1(105.175,289.9) J8.C166@106.125,289.9 ; P1.59@126.7,287.15 v1(128.375,287.15)
  MidLayer4 w0.15: v1(105.175,289.9) 107.925,289.9 108.325,289.5 112.695,289.5 114.195,288 123.945,288 124.985,286.96 127.585,286.96 127.775,287.15 v1(128.375,287.15)
IO_CR_FX1: J8.C4
IO_CR_FX2: J8.C6
IO_CR_FX3: J8.C10
IO_CR_FX4: J8.C12
IO_CR_FX5: J8.C24
IO_CR_FX6: J8.C28
IO_CR_FX7: J8.C32
IO_CR_FX8: J8.C36
IO_CR_FX9: J8.C40
IO_CR_FX10: J8.C44
IO_CR_FX11: J8.C48
IO_CR_FX12: J8.C50
IO_CR_FX13: J8.C54
IO_CR_FX14: J8.C56
IO_CR_FX15: J8.C60
IO_CR_FX16: J8.C62
IO_DDS1: 
IO_DDS2: 
IO_DDS3: 
IO_DDS4: 
IO_DDS5: 
IO_DDS6: 
IO_DDS7: 
IO_DDS8: 
IO_DDS9: 
IO_DDS10: 
IO_DDS11: 
IO_DDS12: 
IO_DDS13: 
IO_DDS14: 
IO_DDS15: 
IO_DDS16: 
IO_DDS17: 
IO_DDS18: 
IO_DDS19: 
IO_DDS20: 
IO_DDS21: 
IO_DDS22: 
IO_DDS23: 
IO_DDS24: 
IO_UPDT: 
IO_UPDTdds: 
JTAG_P\R\S\N\T\: J4.2 R11.1 | length 2.8
  TopLayer w0.25: R11.1@14.875,281.375 15.875,281.375 16.52,282.02 J4.2@17.38,282.02
JTAG_TCK: J8.A123 R18.1 | length 52.7
  TopLayer w0.15: J8.A123@66.175,293.25 v1(66.175,294.25)
  TopLayer w0.3: R18.1@23.96,285.56 v1(24.94,285.56)
  MidLayer3 w0.15: v1(24.94,285.56) 25.625,286.245 25.625,287.5 25.175,287.95 24.825,287.95 24.245,288.53 24.245,292.645 24.525,292.925 64.85,292.925 v1(66.175,294.25)
JTAG_TDI: J8.A117 R20.1 | length 45.5
  TopLayer w0.15: v1(67.675,292.25) J8.A117@67.675,293.25
  TopLayer w0.3: R20.1@23.96,292.21 v1(24.94,292.21)
  MidLayer3 w0.15: v1(24.94,292.21) 26.51,292.21 26.89,292.59 61.03,292.59 61.995,291.625 67.05,291.625 v1(67.675,292.25)
JTAG_TDO: J8.A121 R177.1 | length 1.8
  TopLayer w0.15: v1(66.675,292.25) J8.A121@66.675,293.25
  BottomLayer w0.15: R177.1@66.7,291.425 v1@66.7,292.275
JTAG_TMS: J8.A119 R19.1 | length 52.4
  TopLayer w0.15: J8.A119@67.175,293.25 v1(67.175,294.275)
  TopLayer w0.3: R19.1@23.96,287.11 v1(24.94,287.11)
  MidLayer3 w0.15: v1(24.94,287.11) 23.925,288.125 23.925,292.778 24.392,293.245 64.295,293.245 65.825,294.775 66.675,294.775 v1(67.175,294.275)
M_RST: 
M_RSTdds: 